# Allegro board WNS_FDM_2V1-1221P2.brd (continued)
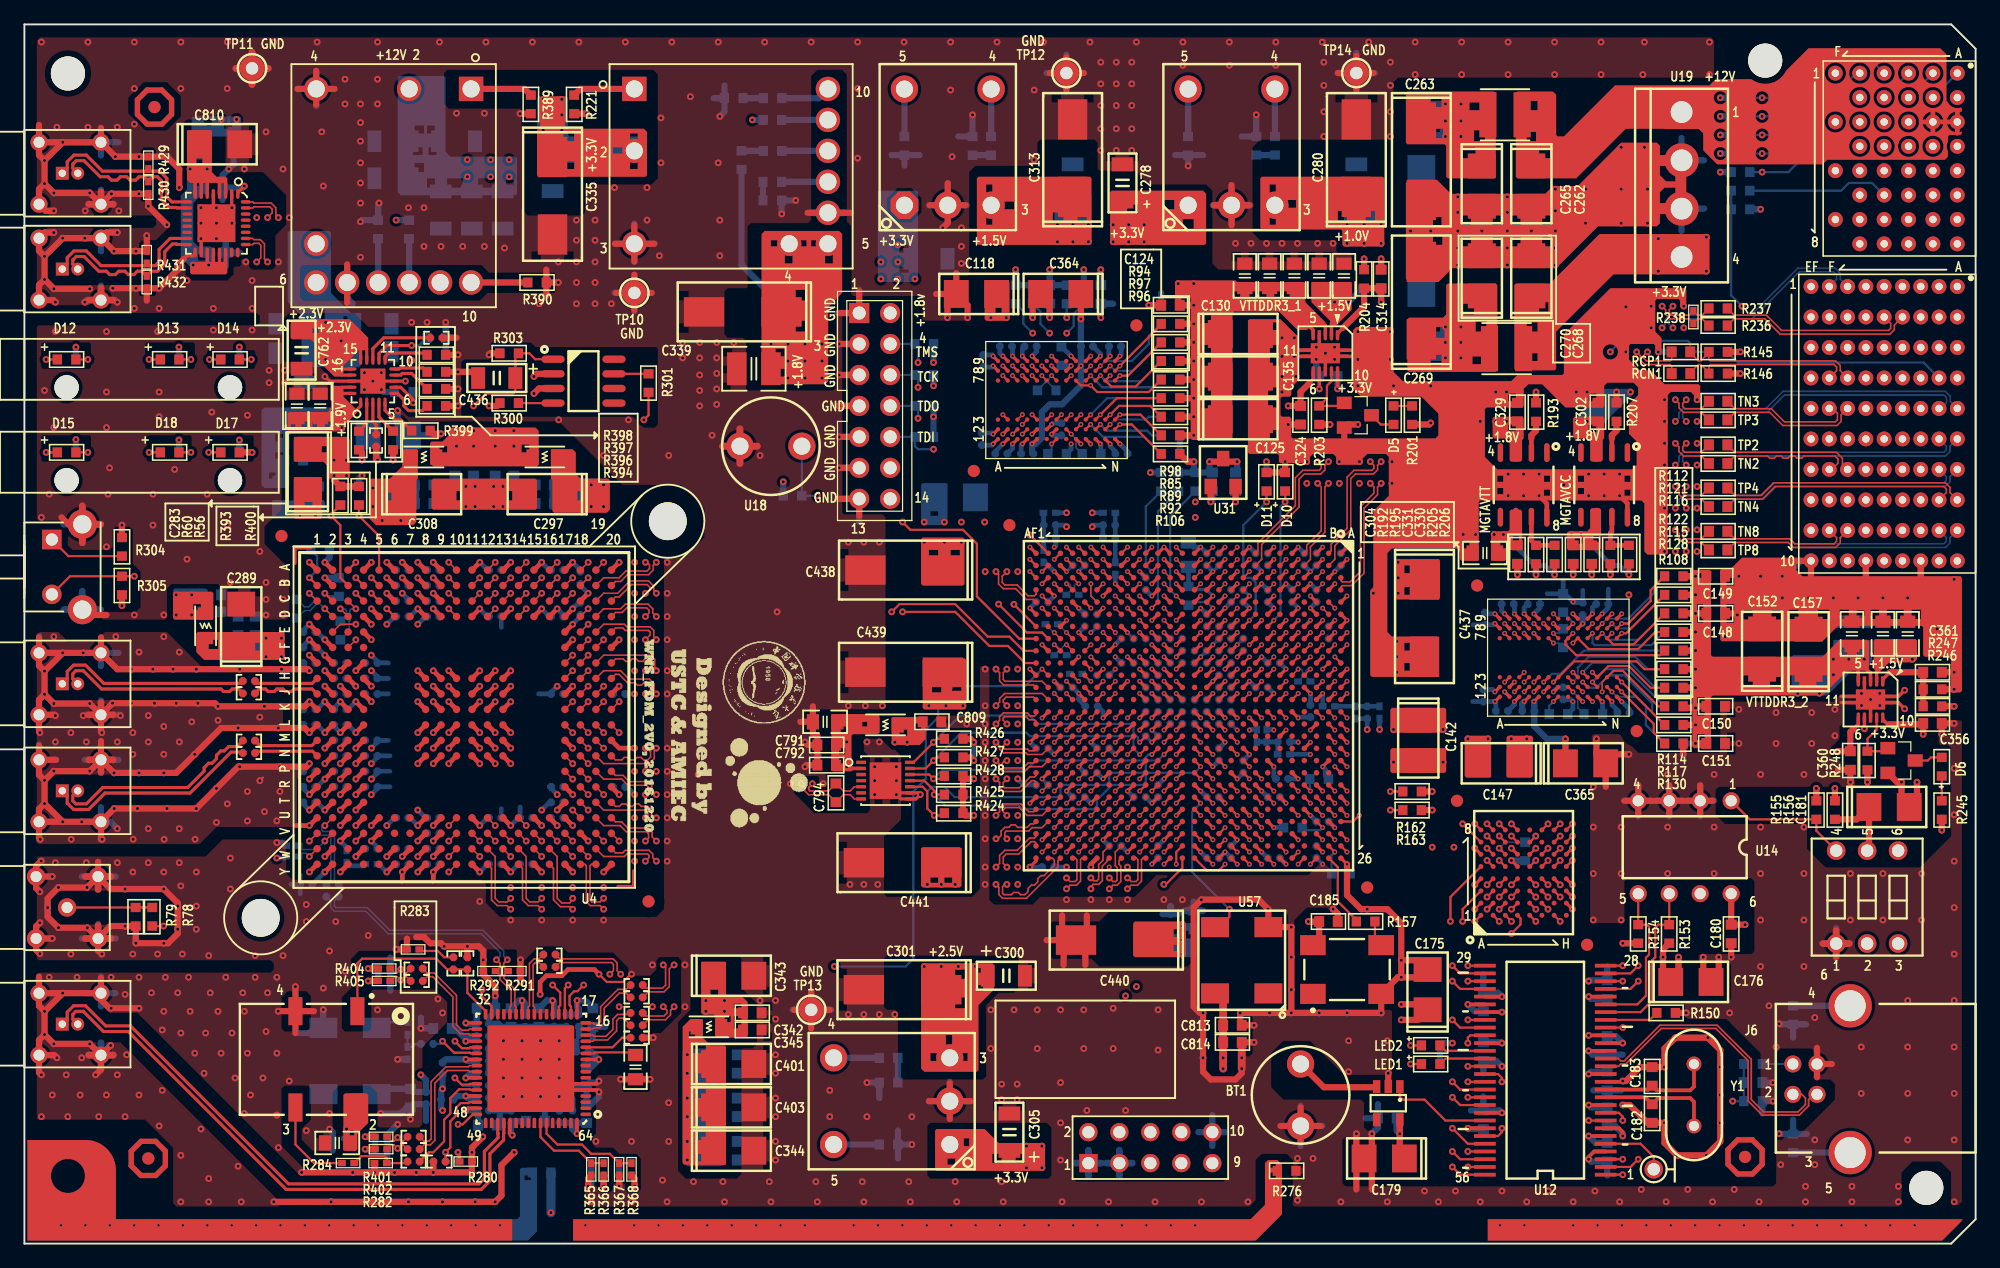
[diagram p0: board, top side]
## Routing (per net, layer and track width the routed paths; a pad name or vN(x,y) marks a point on that pad's centre or on a via; arc(x,y) is an arc through that point) (continued)
DQ_N2: length 73.5
  TOP w0.124: U15.AC24 v1(85.45,33.12) ; U4.V20 v2(48.77,33.02)
  ART10 w0.102: v1(85.45,33.12) 85.45,33.55 85.55,33.66 85.72,33.66 85.85,33.53 85.85,31.91 85.58,31.64 85.29,31.64 85.24,31.69 85.21,31.69
  ART10 w0.109: 85.21,31.69 84.84,31.69 84.33,31.18 84.33,27.69 84.71,27.3 85.28,27.3 85.4,27.19 85.4,26.85 85.28,26.73 48.96,26.73 48.45,27.25 48.45,29.59 48.04,30 47.02,30 46.55,29.53 46.55,27.88 46.38,27.71 46.08,27.71 45.91,27.88 45.91,29.53 45.44,30 44.42,30 44.01,29.59 44.01,27.94 43.81,27.74 43.54,27.74 43.37,27.92 43.37,30.6 43.72,30.96 48.55,30.96 48.9,31.32 48.9,31.87 48.58,32.19 48.2,32.19 48.06,32.33 48.06,33.08 48.26,33.27 48.51,33.27 v2(48.77,33.02)
DQ_N3: length 73.5
  TOP w0.124: U4.T18 v2(46.23,35.56) ; U15.AD24 v1(84.45,33.12)
  ART10 w0.109: v2(46.23,35.56) 45.72,35.56 45.55,35.73 45.55,35.93 45.66,36.04 48.8,36.04 49.02,35.81 49.02,35.18 48.83,34.98 46.03,34.98 45.68,34.63 45.68,34.07 46.03,33.72 53.59,33.72 54.36,32.96 54.36,30.29 53.91,29.84 50.36,29.84 50,29.49 50,28.49 50.35,28.14 50.92,28.14 51.43,28.64 51.85,28.64 52.36,28.14 53.03,28.14 53.54,28.64 53.96,28.64 54.47,28.14 55.02,28.14 55.43,28.54 55.43,29.14 55.57,29.28 55.88,29.28 56.01,29.15 56.01,28.45 56.39,28.07 56.9,28.07 57.28,28.45 57.28,29.08 57.47,29.28 57.78,29.28 57.98,29.08 57.98,28.38 58.33,28.03 58.95,28.03 59.31,28.39 59.31,29.11 59.48,29.28 66.68,29.28 67.06,29.66 67.06,29.91 67.24,30.1 70.36,30.1 70.55,29.9 70.55,29.57 70.85,29.28 71.5,29.28 71.82,29.59 72.2,29.59 72.51,29.28 73.15,29.28 73.44,29.57 73.44,29.95 73.59,30.1 77.6,30.1 77.98,30.48 77.98,31.31 78.19,31.52 82.25,31.52 82.68,31.94 82.68,33.53 82.87,33.72 83.56,33.72 83.82,33.46 84.34,33.46 84.45,33.35 v1(84.45,33.12)
DQ_N4: length 73
  TOP w0.124: v2(51.82,33.02) 51.48,33.36 51.48,33.73 51.13,34.08 49.48,34.08 48.97,34.59 48.47,34.59 U4.U20 ; U15.AE25 v1(83.45,32.12)
  ART10 w0.109: v2(51.82,33.02) 51.69,33.02 51.37,32.7 51.37,32.51 51.56,32.32 53.34,32.32 53.78,31.88 53.78,30.79 53.41,30.42 49.66,30.42 49.33,30.1 49.33,27.94 49.72,27.56 61.91,27.56 62.12,27.78 62.12,28.3 62.52,28.7 63.09,28.7 63.49,28.3 63.49,27.78 63.71,27.56 64.02,27.56 64.24,27.78 64.24,28.3 64.64,28.7 65.2,28.7 65.61,28.3 65.61,27.78 65.82,27.56 66.13,27.56 66.35,27.78 66.35,28.3 66.75,28.7 67.32,28.7 67.72,28.3 67.72,27.78 67.94,27.56 68.25,27.56 68.46,27.78 68.46,28.3 68.86,28.7 69.43,28.7 69.83,28.3 69.83,27.78 70.05,27.56 70.36,27.56 70.58,27.78 70.58,28.3 70.98,28.7 71.54,28.7 71.95,28.3 71.95,27.78 72.16,27.56 72.47,27.56 72.69,27.78 72.69,28.3 73.09,28.7 73.66,28.7 74.06,28.3 74.06,27.78 74.28,27.56 74.58,27.56 74.8,27.78 74.8,28.3 75.2,28.7 75.77,28.7 76.17,28.3 76.17,27.78 76.39,27.56 76.7,27.56 76.92,27.78 76.92,28.3 77.32,28.7 77.88,28.7 78.29,28.3 78.29,27.78 78.5,27.56 78.82,27.56 79.03,27.78 79.03,28.3 79.43,28.7 80,28.7 80.4,28.3 80.4,27.78 80.62,27.56 80.93,27.56 81.15,27.78 81.15,28.3 81.55,28.7 82.12,28.7 82.52,28.3 82.52,27.78 82.73,27.56 83.19,27.56 83.44,27.81 83.44,28.24 83.24,28.45 83.24,28.78 83.44,28.98 83.44,29.31 83.24,29.51 83.24,29.84 83.44,30.04 83.44,30.37 83.24,30.57 83.24,30.9 83.44,31.1 83.44,31.43 83.95,31.94 83.95,32.38 83.82,32.51 83.57,32.51 83.45,32.4 v1(83.45,32.12)
DQ_N5: length 73.2
  TOP w0.124: U4.T20 48.47,35.86 48.79,35.86 49,36.07 49.32,36.07 49.53,35.86 49.86,35.86 50.06,36.07 50.39,36.07 50.59,35.86 51.13,35.86 51.44,35.56 51.44,35.18 51.69,34.92 v2(51.82,34.92) ; U15.Y21 v1(88.45,36.12)
  ART08 w0.102: v1(88.45,36.12) 88.8,36.12 89.15,36.48 89.15,36.62 89.04,36.74 88.3,36.74 88.05,36.49 88.05,35.86 87.72,35.52 84.18,35.52 84.12,35.46 84.1,35.46
  ART08 w0.109: v2(51.82,34.92) 51.69,34.92 51.44,35.18 51.44,35.53 51.59,35.69 51.92,35.69 52.12,35.48 52.45,35.48 52.65,35.69 53.03,35.69 53.28,35.43 53.28,34.73 53.63,34.38 54.12,34.38 54.48,34.74 54.48,35.56 54.68,35.76 54.92,35.76 55.12,35.56 55.12,32.32 55.44,32 56.07,32 56.39,32.32 56.39,35.56 56.58,35.76 56.87,35.76 57.09,35.54 57.09,32.38 57.47,32 58.04,32 58.35,32.31 58.35,35.62 58.49,35.76 58.86,35.76 59,35.62 59,32.3 59.29,32 59.88,32 60.21,32.33 60.21,35.63 60.33,35.76 60.7,35.76 60.82,35.64 60.82,32.84 61.15,32.51 61.78,32.51 62.42,33.15 77.6,33.15 78.36,33.91 81.92,33.91 83.3,35.29 83.78,35.29 83.94,35.46 84.1,35.46
DQ_N6: length 73.3
  TOP w0.124: U4.R19 v2(47.5,36.83) ; U15.AA22 v1(87.45,35.12)
  ART08 w0.102: v1(87.45,35.12) 87.85,35.12 87.95,35.02 87.95,34.85 87.83,34.72 84.18,34.72 84.12,34.78 84.1,34.78
  ART08 w0.109: v2(47.5,36.83) 47.26,37.06 46.97,37.06 46.86,36.96 46.86,36.64 47.02,36.48 47.02,34.39 47.24,34.16 47.62,34.16 47.84,34.38 47.84,35.67 48.24,36.07 48.8,36.07 49.2,35.67 49.2,34.38 49.42,34.16 53.02,34.16 53.98,33.21 53.98,32.7 55.25,31.43 61.8,31.43 62.02,31.65 62.02,31.98 62.42,32.38 62.99,32.38 63.39,31.98 63.39,31.65 63.61,31.43 63.92,31.43 64.14,31.65 64.14,32.05 64.54,32.45 65.11,32.45 65.51,32.05 65.51,31.65 65.73,31.43 66.04,31.43 66.24,31.63 66.24,32.2 66.61,32.57 69.34,32.57 69.72,32.2 69.72,31.62 69.36,31.26 67.65,31.26 67.5,31.11 67.5,30.72 67.67,30.54 70.23,30.54 70.43,30.74 70.43,32.2 70.8,32.57 71.38,32.57 71.73,32.22 71.73,31.33 71.88,31.17 72.19,31.17 72.33,31.31 72.33,32.13 72.77,32.57 75.51,32.57 75.88,32.2 75.88,31.55 75.51,31.18 73.73,31.18 73.55,31.01 73.55,30.71 73.73,30.54 76.32,30.54 76.52,30.74 76.52,32.13 76.96,32.57 82.04,32.57 82.62,33.15 82.62,33.72 83.67,34.78 84.1,34.78
DQ_N7: length 73.7
  TOP w0.124: U4.P18 v2(46.23,38.1) ; U15.AC21 v1(85.45,36.12)
  ART08 w0.102: 82.07,36.46 82.09,36.46 82.15,36.52 85.86,36.52 85.97,36.42 85.97,36.22 85.86,36.12 v1(85.45,36.12)
  ART08 w0.109: v2(46.23,38.1) 45.65,38.1 45.55,38.21 45.55,38.47 45.65,38.58 46.89,38.58 47.06,38.41 47.06,37.78 47.42,37.42 47.96,37.42 48.32,37.78 48.32,38.67 48.48,38.83 48.86,38.83 49.06,38.64 49.06,37.94 49.4,37.59 53.21,37.59 53.59,37.97 53.59,38.93 53.78,39.12 54.08,39.12 54.29,38.9 54.29,37.61 54.7,37.21 56.28,37.21 56.68,37.61 56.68,38.9 56.9,39.12 57.21,39.12 57.42,38.9 57.42,37.61 57.82,37.21 58.39,37.21 58.79,37.61 58.79,38.9 59.01,39.12 59.32,39.12 59.54,38.9 59.54,37.61 59.94,37.21 60.51,37.21 60.91,37.61 60.91,38.52 61.12,38.73 61.47,38.73 61.72,38.48 61.72,34.48 62.1,34.1 62.67,34.1 63.07,34.51 63.07,36.43 63.29,36.64 63.6,36.64 63.82,36.43 63.82,34.51 64.22,34.1 64.79,34.1 65.19,34.51 65.19,36.43 65.4,36.64 65.71,36.64 65.93,36.43 65.93,34.51 66.33,34.1 66.96,34.1 67.36,34.51 67.36,35.28 67.58,35.5 67.89,35.5 68.11,35.28 68.11,34.51 68.51,34.1 69.16,34.1 69.67,34.61 70.09,34.61 70.6,34.1 71.28,34.1 71.78,34.61 72.2,34.61 72.71,34.1 76.01,34.1 77.6,35.69 81.09,35.69 81.86,36.46 82.07,36.46
DQ_N8: length 73.5
  TOP w0.124: U15.AF23 82.76,34.42 82.51,34.42 82.23,34.14 81.45,34.14 81.25,34.34 80.92,34.34 80.72,34.14 80.39,34.14 80.09,33.84 80.09,33.48 79.81,33.2 v2(79.67,33.2) ; v2(51.82,36.83) 51.69,36.83 51.44,37.08 51.44,37.59 51.13,37.89 49.61,37.89 49.1,38.4 48.47,38.4 U4.P20
  ART10 w0.109: v2(51.82,36.83) 51.69,36.83 51.37,36.51 51.37,36.07 51.5,35.94 52.15,35.94 52.35,36.14 52.68,36.14 52.89,35.94 53.21,35.94 53.44,35.71 53.73,35.71 53.96,35.48 53.96,35.19 54.2,34.96 54.48,34.96 54.71,34.73 54.71,34.44 54.95,34.21 55.23,34.21 55.47,33.98 55.47,33.69 55.72,33.44 55.72,32.48 55.94,32.26 56.27,32.26 56.47,32.46 56.8,32.46 57,32.26 57.33,32.26 57.53,32.46 57.86,32.46 58.06,32.26 58.39,32.26 58.6,32.46 58.92,32.46 59.13,32.26 59.45,32.26 59.66,32.46 59.98,32.46 60.19,32.26 60.52,32.26 60.72,32.46 61.05,32.46 61.25,32.26 65.34,32.26 65.7,31.9 65.7,31.41 65.35,31.06 55.76,31.06 55.59,30.89 55.59,30.64 55.75,30.48 65.73,30.48 66.33,31.08 66.33,31.91 66.68,32.26 67.44,32.26 67.82,31.88 67.82,31.43 67.95,31.3 68.26,31.3 68.39,31.44 68.39,31.88 68.77,32.26 69.34,32.26 69.72,31.88 69.72,31.43 69.85,31.3 70.16,31.3 70.3,31.44 70.3,31.88 70.68,32.26 71.25,32.26 71.63,31.88 71.63,31.05 71.76,30.92 72.07,30.92 72.2,31.06 72.2,31.88 72.58,32.26 73.15,32.26 73.53,31.88 73.53,31.43 73.66,31.3 73.97,31.3 74.11,31.44 74.11,31.88 74.49,32.26 75.06,32.26 75.44,31.88 75.44,31.43 75.57,31.3 75.88,31.3 76.01,31.44 76.01,32.26 76.39,32.64 79.93,32.64 80.04,32.75 80.04,33.09 79.93,33.2 v2(79.67,33.2)
DQ_N9: length 73.4
  TOP w0.124: U4.N18 v2(46.23,39.37) ; U15.AC22 v1(85.45,35.12)
  ART10 w0.102: v1(85.45,35.12) 85.85,35.12 85.96,35.02 85.96,34.82 85.85,34.72 84.18,34.72 84.12,34.78 84.1,34.78
  ART10 w0.109: v2(46.23,39.37) 45.58,39.37 45.47,39.26 45.47,38.87 45.17,38.58 43.02,38.58 41.78,37.34 36.64,37.34 36.32,37.02 36.32,35.56 36.58,35.31 36.94,35.31 37.16,35.52 37.16,36.3 37.56,36.7 38.13,36.7 38.53,36.3 38.53,35.52 38.75,35.31 39.06,35.31 39.24,35.49 39.24,36.32 39.62,36.7 40.19,36.7 40.57,36.32 40.57,35.5 40.77,35.31 41.09,35.31 41.27,35.49 41.27,36.26 41.65,36.63 42.48,36.63 42.67,36.83 42.67,37.21 43.08,37.62 46.64,37.62 46.92,37.9 53.09,37.9 57.59,33.4 75.76,33.4 76.58,34.22 77.22,34.22 77.6,33.84 77.98,33.84 78.36,34.22 81.66,34.22 82.21,34.78 84.1,34.78
DQ_N10: length 73.6
  TOP w0.124: U4.N20 48.47,39.67 48.98,39.67 49.18,39.88 49.51,39.88 49.71,39.67 50.04,39.67 50.24,39.88 50.57,39.88 50.77,39.67 51.1,39.67 51.35,39.92 51.35,40.35 51.05,40.64 v2(50.93,40.64) ; U15.AE21 v1(83.45,36.12)
  ART10 w0.109: v1(83.45,36.12) 83.89,36.12 84,36.01 84,35.8 83.76,35.56 83.42,35.56 83.22,35.76 82.89,35.76 82.68,35.56 82.36,35.56 81.91,36.01 81.91,36.3 81.67,36.53 81.39,36.53 81.16,36.76 76.32,36.76 75.63,36.07 73.98,36.07 73.6,35.69 73.6,35.37 73.41,35.18 73,35.18 72.78,35.4 72.78,35.79 72.38,36.2 71.81,36.2 71.41,35.79 71.41,35.4 71.19,35.18 70.89,35.18 70.67,35.4 70.67,35.79 70.27,36.2 69.7,36.2 69.3,35.79 69.3,35.4 69.08,35.18 68.77,35.18 68.62,35.33 68.62,36.68 68.22,37.08 67.65,37.08 67.25,36.68 67.25,35.4 67.03,35.18 66.72,35.18 66.51,35.4 66.51,36.68 66.1,37.08 65.54,37.08 65.14,36.68 65.14,35.4 64.92,35.18 64.61,35.18 64.39,35.4 64.39,36.68 63.99,37.08 63.42,37.08 63.02,36.68 63.02,35.4 62.81,35.18 62.49,35.18 62.28,35.4 62.28,37.23 61.91,37.59 61.28,37.59 60.91,37.22 60.91,35.35 60.73,35.18 60.39,35.18 60.24,35.32 60.24,37.25 59.9,37.59 59.31,37.59 59,37.28 59,35.31 58.87,35.18 58.48,35.18 58.35,35.31 58.35,38.1 57.97,38.48 57.22,38.48 56.84,38.1 56.84,37.45 56.66,37.27 56.39,37.27 56.19,37.47 56.19,41.4 55.81,41.78 55.25,41.78 54.93,41.47 54.93,39.95 54.8,39.81 54.55,39.81 54.41,39.95 54.41,41.2 54.08,41.53 53.76,41.53 53.55,41.73 53.23,41.73 53.02,41.53 52.69,41.53 52.49,41.73 52.16,41.73 51.96,41.53 51.63,41.53 51.31,41.21 51.31,40.82 51.13,40.64 v2(50.93,40.64)
DQ_N11: length 73.5
  TOP w0.124: U15.AF22 82.76,35.42 82.35,35.42 81.71,36.07 80.33,36.07 79.97,35.7 79.97,35.42 v2(79.67,35.12) ; U4.M19 v2(47.5,40.64)
  ART10 w0.109: v2(79.67,35.12) 79.96,35.41 79.96,35.56 79.85,35.67 77.08,35.67 75.38,33.98 57.84,33.98 53.54,38.29 53.54,39.11 53.15,39.5 49.53,39.5 49.15,39.88 49.15,40.71 48.98,40.87 48.68,40.87 48.51,40.71 48.51,38.86 48.13,38.48 47.5,38.48 47.12,38.86 47.12,39.69 46.96,39.85 42.01,39.85 41.78,39.62 41.78,38.74 41.4,38.35 40.83,38.35 40.47,38.71 40.47,41.06 40.88,41.46 42.01,41.46 42.23,41.68 42.23,42.3 42.01,42.52 39.65,42.52 39.33,42.84 39.33,43.52 39.62,43.81 42.8,43.81 43.43,43.18 43.43,41.59 43.59,41.43 46.88,41.43 47.17,41.14 47.17,40.97 v2(47.5,40.64)
DQ_P0: length 73.6
  TOP w0.124: U4.W18 v2(46.23,31.75) ; U15.AF24 82.95,33.4 82.83,33.27 82.42,33.27 81.41,32.26 80.39,32.26 79.97,31.83 79.97,31.18 v2(79.67,30.88)
  ART08 w0.109: v2(46.23,31.75) 45.83,31.75 45.72,31.86 45.72,32.12 45.83,32.23 46.74,32.23 46.96,32 52.96,32 54.8,30.17 66.23,30.17 66.36,30.03 66.36,29.66 66.23,29.52 54.54,29.52 54.23,29.21 54.23,28.58 54.54,28.26 71.21,28.26 71.61,28.66 71.61,29.82 71.83,30.04 72.14,30.04 72.35,29.82 72.35,28.66 72.76,28.26 77.28,28.26 77.85,28.83 77.85,31.11 78.21,31.48 79.85,31.48 79.96,31.37 79.96,31.17 v2(79.67,30.88)
DQ_P1: length 73.7
  TOP w0.124: v2(50.93,31.37) 51.22,31.66 51.22,31.83 51.1,31.96 49.4,31.96 49.2,31.75 47.5,31.75 U4.W19 ; U15.AD26 84.76,31.42 84.76,30.91 82.17,28.32 80.21,28.32 79.91,28.62 79.91,29.23 v2(79.67,29.46)
  ART03 w0.109: v2(50.93,31.37) 51.12,31.56 51.12,32.01 51.43,32.32 54.24,32.32 54.64,31.92 54.64,31.77 54.86,31.55 55.17,31.55 55.39,31.77 55.39,31.92 55.79,32.32 56.36,32.32 56.76,31.92 56.76,31.77 56.97,31.55 57.28,31.55 57.5,31.77 57.5,31.92 57.9,32.32 58.47,32.32 58.87,31.92 58.87,31.77 59.09,31.55 59.4,31.55 59.61,31.77 59.61,31.92 60.02,32.32 60.58,32.32 60.98,31.92 60.98,28.98 61.2,28.76 61.51,28.76 61.73,28.98 61.73,31.92 62.13,32.32 62.7,32.32 63.1,31.92 63.1,28.98 63.31,28.76 63.62,28.76 63.84,28.98 63.84,31.92 64.24,32.32 64.81,32.32 65.21,31.92 65.21,28.98 65.43,28.76 65.74,28.76 65.95,28.98 65.95,31.92 66.36,32.32 66.94,32.32 67.35,31.92 67.35,30.76 67.56,30.54 67.87,30.54 68.09,30.76 68.09,31.92 68.49,32.32 69.06,32.32 69.46,31.92 69.46,30.76 69.68,30.54 69.99,30.54 70.2,30.76 70.2,31.92 70.6,32.32 72.14,32.32 72.58,31.88 72.58,28.94 72.68,28.83 79.7,28.83 79.82,28.96 79.82,29.31 v2(79.67,29.46)
DQ_P2: length 73.5
  TOP w0.124: U15.AC23 v1(85.45,34.12) ; U4.V19 v2(47.5,33.02)
  ART10 w0.102: 85.21,31.38 85.24,31.38 85.29,31.43 85.66,31.43 86.05,31.83 86.05,33.61 85.81,33.86 85.71,33.86 v1(85.45,34.12)
  ART10 w0.109: v2(47.5,33.02) 47.75,32.77 47.75,32.2 48.07,31.88 48.45,31.88 48.59,31.74 48.59,31.45 48.42,31.27 43.59,31.27 43.05,30.73 43.05,27.79 43.41,27.43 43.94,27.43 44.32,27.81 44.32,29.46 44.55,29.69 45.31,29.69 45.59,29.4 45.59,27.75 45.95,27.39 46.5,27.39 46.86,27.75 46.86,29.4 47.15,29.69 47.91,29.69 48.13,29.46 48.13,27.12 48.83,26.42 85.4,26.42 85.71,26.72 85.71,27.32 85.41,27.62 84.84,27.62 84.64,27.82 84.64,31.05 84.97,31.38 85.21,31.38
DQ_P3: length 73.5
  TOP w0.124: U15.AD23 v1(84.45,34.12) ; U4.U18 v2(44.96,35.56)
  ART10 w0.109: v1(84.45,34.12) 84.45,33.89 84.34,33.78 83.95,33.78 83.69,34.04 82.74,34.04 82.36,33.66 82.36,32.07 82.12,31.83 78.06,31.83 77.67,31.44 77.67,30.61 77.47,30.41 73.46,30.41 73.13,30.08 73.13,29.7 73.02,29.59 72.64,29.59 72.33,29.9 71.69,29.9 71.37,29.59 70.98,29.59 70.87,29.7 70.87,30.03 70.49,30.41 67.11,30.41 66.74,30.04 66.74,29.79 66.55,29.59 59.35,29.59 59,29.24 59,28.52 58.82,28.34 58.46,28.34 58.29,28.51 58.29,29.21 57.91,29.59 57.34,29.59 56.96,29.21 56.96,28.58 56.77,28.38 56.52,28.38 56.32,28.58 56.32,29.28 56.01,29.59 55.44,29.59 55.12,29.27 55.12,28.67 54.89,28.45 54.6,28.45 54.09,28.96 53.41,28.96 52.91,28.45 52.49,28.45 51.98,28.96 51.3,28.96 50.79,28.45 50.48,28.45 50.31,28.62 50.31,29.36 50.49,29.53 54.04,29.53 54.67,30.16 54.67,33.09 53.72,34.04 46.16,34.04 45.99,34.2 45.99,34.5 46.16,34.67 48.96,34.67 49.33,35.05 49.33,35.94 48.93,36.35 45.53,36.35 45.24,36.06 45.24,35.84 v2(44.96,35.56)
DQ_P4: length 73.1
  TOP w0.124: v2(50.93,33.02) 51.18,33.27 51.18,33.61 51.01,33.78 49.36,33.78 48.85,34.29 47.5,34.29 U4.U19 ; U15.AD25 v1(84.45,32.12)
  ART10 w0.109: v2(50.93,33.02) 51.05,32.89 51.05,32.38 51.44,32 53.21,32 53.47,31.75 53.47,30.92 53.28,30.73 49.53,30.73 49.02,30.23 49.02,27.81 49.59,27.25 62.03,27.25 62.44,27.65 62.44,28.17 62.65,28.39 62.96,28.39 63.18,28.17 63.18,27.65 63.58,27.25 64.15,27.25 64.55,27.65 64.55,28.17 64.77,28.39 65.08,28.39 65.29,28.17 65.29,27.65 65.69,27.25 66.26,27.25 66.66,27.65 66.66,28.17 66.88,28.39 67.19,28.39 67.41,28.17 67.41,27.65 67.81,27.25 68.37,27.25 68.78,27.65 68.78,28.17 68.99,28.39 69.3,28.39 69.52,28.17 69.52,27.65 69.92,27.25 70.49,27.25 70.89,27.65 70.89,28.17 71.11,28.39 71.42,28.39 71.63,28.17 71.63,27.65 72.03,27.25 72.6,27.25 73,27.65 73,28.17 73.22,28.39 73.53,28.39 73.75,28.17 73.75,27.65 74.15,27.25 74.71,27.25 75.12,27.65 75.12,28.17 75.33,28.39 75.64,28.39 75.86,28.17 75.86,27.65 76.26,27.25 76.83,27.25 77.23,27.65 77.23,28.17 77.45,28.39 77.75,28.39 77.97,28.17 77.97,27.65 78.37,27.25 78.95,27.25 79.35,27.65 79.35,28.17 79.56,28.39 79.87,28.39 80.09,28.17 80.09,27.65 80.49,27.25 81.06,27.25 81.46,27.65 81.46,28.17 81.68,28.39 81.99,28.39 82.2,28.17 82.2,27.65 82.6,27.25 83.31,27.25 83.75,27.68 83.75,31.3 84.26,31.81 84.26,31.93 v1(84.45,32.12)
DQ_P5: length 73.1
  TOP w0.124: v2(50.93,34.92) 51.13,35.13 51.13,35.43 51.01,35.56 47.5,35.56 U4.T19 ; U15.W20 v1(89.45,37.12)
  ART08 w0.102: v1(89.45,37.12) 89.28,36.95 88.22,36.95 87.85,36.58 87.85,35.94 87.63,35.72 84.18,35.72 84.12,35.78 84.1,35.78
  ART08 w0.109: v2(50.93,34.92) 51.12,35.12 51.12,35.66 51.46,36 53.16,36 53.59,35.56 53.59,34.86 53.76,34.69 54,34.69 54.17,34.87 54.17,35.69 54.55,36.07 55.05,36.07 55.43,35.69 55.43,32.45 55.57,32.32 55.94,32.32 56.08,32.45 56.08,35.69 56.45,36.07 57,36.07 57.4,35.67 57.4,32.51 57.6,32.32 57.91,32.32 58.04,32.44 58.04,35.75 58.36,36.07 58.99,36.07 59.31,35.75 59.31,32.43 59.42,32.32 59.75,32.32 59.89,32.46 59.89,35.76 60.2,36.07 60.83,36.07 61.13,35.77 61.13,32.97 61.28,32.82 61.65,32.82 62.29,33.46 77.47,33.46 78.23,34.22 81.79,34.22 83.17,35.61 83.65,35.61 83.82,35.78 84.1,35.78
DQ_P6: length 73.2
  TOP w0.124: U4.R18 v2(46.23,36.83) ; U15.Y22 v1(88.45,35.12)
  ART08 w0.102: 84.1,34.46 84.12,34.46 84.18,34.52 87.91,34.52 88.16,34.76 88.16,35.02 88.26,35.12 v1(88.45,35.12)
  ART08 w0.109: 84.1,34.46 83.8,34.46 82.93,33.59 82.93,33.02 82.17,32.26 77.09,32.26 76.83,32 76.83,30.61 76.45,30.23 73.6,30.23 73.24,30.58 73.24,31.14 73.6,31.5 75.38,31.5 75.56,31.68 75.56,32.07 75.38,32.26 72.9,32.26 72.64,32 72.64,31.18 72.32,30.86 71.75,30.86 71.42,31.2 71.42,32.09 71.25,32.26 70.93,32.26 70.74,32.07 70.74,30.61 70.36,30.23 67.54,30.23 67.18,30.59 67.18,31.24 67.52,31.58 69.24,31.58 69.41,31.75 69.41,32.07 69.22,32.26 66.74,32.26 66.55,32.07 66.55,31.5 66.17,31.11 65.6,31.11 65.19,31.52 65.19,31.92 64.98,32.14 64.67,32.14 64.45,31.92 64.45,31.52 64.05,31.11 63.48,31.11 63.08,31.52 63.08,31.85 62.86,32.07 62.55,32.07 62.33,31.85 62.33,31.52 61.93,31.11 55.12,31.11 53.66,32.57 53.66,33.08 52.89,33.85 49.29,33.85 48.89,34.25 48.89,35.54 48.67,35.76 48.37,35.76 48.15,35.54 48.15,34.25 47.75,33.85 47.11,33.85 46.71,34.26 46.71,36.35 46.54,36.52 v2(46.23,36.83)
DQ_P7: length 73.8
  TOP w0.124: U15.AB21 v1(86.45,36.12) ; U4.P17 v2(44.96,38.1)
  ART08 w0.102: 82.07,36.78 82.09,36.78 82.15,36.72 85.95,36.72 86.17,36.5 86.17,36.22 86.27,36.12 v1(86.45,36.12)
  ART08 w0.109: v2(44.96,38.1) 45.23,38.38 45.23,38.6 45.53,38.89 47.02,38.89 47.37,38.54 47.37,37.91 47.55,37.73 47.83,37.73 48.01,37.91 48.01,38.8 48.36,39.15 48.99,39.15 49.37,38.77 49.37,38.07 49.53,37.9 53.08,37.9 53.28,38.1 53.28,39.06 53.65,39.43 54.21,39.43 54.61,39.03 54.61,37.74 54.82,37.52 56.15,37.52 56.37,37.74 56.37,39.03 56.77,39.43 57.34,39.43 57.74,39.03 57.74,37.74 57.95,37.52 58.26,37.52 58.48,37.74 58.48,39.03 58.88,39.43 59.45,39.43 59.85,39.03 59.85,37.74 60.07,37.52 60.38,37.52 60.59,37.74 60.59,38.65 60.99,39.05 61.6,39.05 62.03,38.61 62.03,34.61 62.23,34.42 62.54,34.42 62.76,34.63 62.76,36.56 63.16,36.96 63.73,36.96 64.13,36.56 64.13,34.63 64.35,34.42 64.66,34.42 64.87,34.63 64.87,36.56 65.27,36.96 65.84,36.96 66.24,36.56 66.24,34.63 66.46,34.42 66.83,34.42 67.05,34.63 67.05,35.41 67.45,35.81 68.02,35.81 68.42,35.41 68.42,34.63 68.64,34.42 69.03,34.42 69.54,34.92 70.22,34.92 70.73,34.42 71.15,34.42 71.65,34.92 72.33,34.92 72.84,34.42 75.89,34.42 77.47,36 80.96,36 81.73,36.78 82.07,36.78
DQ_P8: length 73.6
  TOP w0.124: v2(50.93,36.83) 51.13,37.04 51.13,37.47 51.01,37.59 49.48,37.59 48.98,38.1 47.5,38.1 U4.P19 ; U15.AE23 83.45,34.12 82.63,34.12 82.35,33.84 80.52,33.84 80.39,33.71 80.39,33.38 v2(80.56,33.2)
  ART10 w0.109: v2(80.56,33.2) 80.35,32.99 80.35,32.62 80.06,32.33 76.52,32.33 76.33,32.13 76.33,31.31 76.01,30.99 75.44,30.99 75.13,31.3 75.13,31.75 74.93,31.95 74.62,31.95 74.42,31.75 74.42,31.31 74.1,30.99 73.53,30.99 73.22,31.3 73.22,31.75 73.02,31.95 72.71,31.95 72.52,31.75 72.52,30.93 72.2,30.61 71.63,30.61 71.32,30.92 71.32,31.75 71.12,31.95 70.81,31.95 70.61,31.75 70.61,31.31 70.29,30.99 69.72,30.99 69.41,31.3 69.41,31.75 69.21,31.95 68.9,31.95 68.71,31.75 68.71,31.31 68.39,30.99 67.82,30.99 67.51,31.3 67.51,31.75 67.31,31.95 66.8,31.95 66.64,31.78 66.64,30.95 65.85,30.17 55.62,30.17 55.28,30.51 55.28,31.02 55.63,31.37 65.22,31.37 65.38,31.54 65.38,31.77 65.21,31.95 55.81,31.95 55.41,32.35 55.41,33.31 53.08,35.63 51.37,35.63 51.05,35.94 51.05,36.7 v2(50.93,36.83)
DQ_P9: length 73.5
  TOP w0.124: U15.AB22 v1(86.45,35.12) ; U4.N17 v2(44.96,39.37)
  ART10 w0.102: v1(86.45,35.12) 86.28,35.12 86.16,34.99 86.16,34.74 85.94,34.52 84.18,34.52 84.12,34.46 84.1,34.46
  ART10 w0.109: v2(44.96,39.37) 45.04,39.37 45.15,39.26 45.15,39 45.04,38.89 42.89,38.89 41.65,37.65 36.51,37.65 36.01,37.15 36.01,35.43 36.45,34.99 37.07,34.99 37.48,35.39 37.48,36.17 37.69,36.39 38,36.39 38.22,36.17 38.22,35.39 38.62,34.99 39.18,34.99 39.56,35.36 39.56,36.19 39.75,36.39 40.06,36.39 40.26,36.2 40.26,35.37 40.64,34.99 41.22,34.99 41.59,35.36 41.59,36.13 41.78,36.32 42.61,36.32 42.98,36.7 42.98,37.08 43.21,37.31 46.77,37.31 47.05,37.59 52.96,37.59 57.46,33.09 75.89,33.09 76.71,33.91 77.09,33.91 77.47,33.53 78.11,33.53 78.49,33.91 81.79,33.91 82.34,34.46 84.1,34.46
DQ_P10: length 73.7
  TOP w0.124: v2(51.82,40.64) 51.65,40.47 51.65,39.79 51.23,39.37 47.5,39.37 U4.N19 ; U15.AD21 v1(84.45,36.12)
  ART10 w0.109: v2(51.82,40.64) 51.62,40.84 51.62,41.08 51.76,41.22 53.95,41.22 54.1,41.07 54.1,39.82 54.42,39.5 54.92,39.5 55.24,39.82 55.24,41.34 55.37,41.47 55.68,41.47 55.88,41.27 55.88,37.34 56.26,36.96 56.79,36.96 57.15,37.32 57.15,37.97 57.35,38.17 57.84,38.17 58.04,37.97 58.04,35.18 58.35,34.87 59,34.87 59.31,35.18 59.31,37.15 59.44,37.28 59.77,37.28 59.93,37.12 59.93,35.19 60.26,34.87 60.86,34.87 61.22,35.22 61.22,37.09 61.41,37.28 61.78,37.28 61.96,37.1 61.96,35.27 62.36,34.87 62.94,34.87 63.34,35.27 63.34,36.55 63.55,36.77 63.86,36.77 64.08,36.55 64.08,35.27 64.48,34.87 65.05,34.87 65.45,35.27 65.45,36.55 65.67,36.77 65.98,36.77 66.19,36.55 66.19,35.27 66.59,34.87 67.16,34.87 67.56,35.27 67.56,36.55 67.78,36.77 68.09,36.77 68.31,36.55 68.31,35.2 68.64,34.87 69.21,34.87 69.61,35.27 69.61,35.66 69.83,35.88 70.14,35.88 70.35,35.66 70.35,35.27 70.76,34.87 71.32,34.87 71.72,35.27 71.72,35.66 71.94,35.88 72.25,35.88 72.47,35.66 72.47,35.27 72.87,34.87 73.54,34.87 73.91,35.25 73.91,35.56 74.11,35.76 75.76,35.76 76.45,36.45 81.03,36.45 82.23,35.25 83.89,35.25 84.31,35.67 84.31,35.98 v1(84.45,36.12)
DQ_P11: length 73.6
  TOP w0.124: U15.AE22 83.45,35.12 82.23,35.12 81.58,35.77 80.46,35.77 80.27,35.58 80.27,35.42 v2(80.56,35.12) ; U4.M18 v2(46.23,40.64)
  ART10 w0.109: v2(46.23,40.64) 46.75,40.64 46.86,40.75 46.86,41.01 46.75,41.12 43.46,41.12 43.12,41.46 43.12,43.05 42.67,43.5 39.75,43.5 39.64,43.39 39.64,42.97 39.78,42.83 42.14,42.83 42.55,42.43 42.55,41.55 42.14,41.15 41.01,41.15 40.79,40.93 40.79,38.84 40.96,38.67 41.27,38.67 41.47,38.86 41.47,39.75 41.88,40.16 47.09,40.16 47.43,39.82 47.43,38.99 47.63,38.79 48,38.79 48.2,38.99 48.2,40.84 48.55,41.19 49.11,41.19 49.46,40.84 49.46,40.01 49.66,39.81 53.28,39.81 53.85,39.24 53.85,38.41 57.97,34.29 75.25,34.29 76.95,35.99 79.98,35.99 80.27,35.69 80.27,35.41 v2(80.56,35.12)
DQD_N0: length 73.7
  TOP w0.124: v1(89.45,46.12) U15.Y12 ; U4.W10 v2(34.8,31.75)
  ART03 w0.102: v1(89.45,46.12) 89.45,45.82 89.55,45.72 89.78,45.72 91.05,44.45 91.05,39.84 90.73,39.52 89.21,39.52 89.05,39.36 89.05,38.86 88.72,38.52 86.18,38.52 86.05,38.4 86.05,36.78 85.79,36.52 83.25,36.52 83.05,36.32 83.05,35.92 83.11,35.86 83.11,35.84
  ART03 w0.109: 83.11,35.84 83.11,35.17 81.85,33.91 48.13,33.91 47.27,34.77 36.86,34.77 36.13,34.03 36.13,33.02 35.34,32.23 34.54,32.23 34.32,32 34.32,31.28 34.43,31.17 34.69,31.17 34.8,31.28 v2(34.8,31.75)
DQD_N1: length 73.8
  TOP w0.124: U15.U25 v1(91.45,32.12) ; U4.U10 v2(34.8,34.29)
  ART10 w0.102: 91.11,31.78 91.11,31.8 91.05,31.86 91.05,32.33 91.16,32.44 91.35,32.44 91.45,32.33 v1(91.45,32.12)
  ART10 w0.109: v2(34.8,34.29) 34.6,34.09 34.3,34.09 34.01,33.8 34.01,29.94 38.48,25.47 39.75,25.47 41.53,23.69 87.95,23.69 91.31,27.05 91.31,31.37 91.11,31.57 91.11,31.78
DQD_N2: length 73.6
  TOP w0.124: U15.V24 v1(90.45,33.12) ; 36.7,33.66 v2(37.34,33.02)
  ART10 w0.102: 90.11,32.79 90.11,32.82 90.05,32.87 90.05,33.27 90.16,33.38 90.33,33.38 90.45,33.25 v1(90.45,33.12)
  ART10 w0.109: 90.11,32.79 90.11,32.51 89.89,32.29 89.89,27.56 89.51,27.18 88.77,27.18 88.58,26.98 88.58,25.59 87.57,24.58 41.91,24.58 40.58,25.91 40.58,29.46 40.35,29.69 38.71,29.69 38.48,29.46 38.48,29.15 38.1,28.77 36.89,28.77 35.88,29.78 35.88,32.39 36.32,32.82 37.14,32.82 v2(37.34,33.02)
